# Altium PCB Accumulator Management.PcbDoc (part 1 of 2)
Units mm, origin at the board's own origin, x right, y up, seen from the top; angles counter-clockwise.
Board outline 150 x 60 mm, 4 copper layers (Top Layer, 3.3V, GND, Bottom Layer 1), stack 0.603 mm thick; 185 components, 132 nets, 638 pads, 116 vias.
Unrouted connection lines stored in the file: 11.
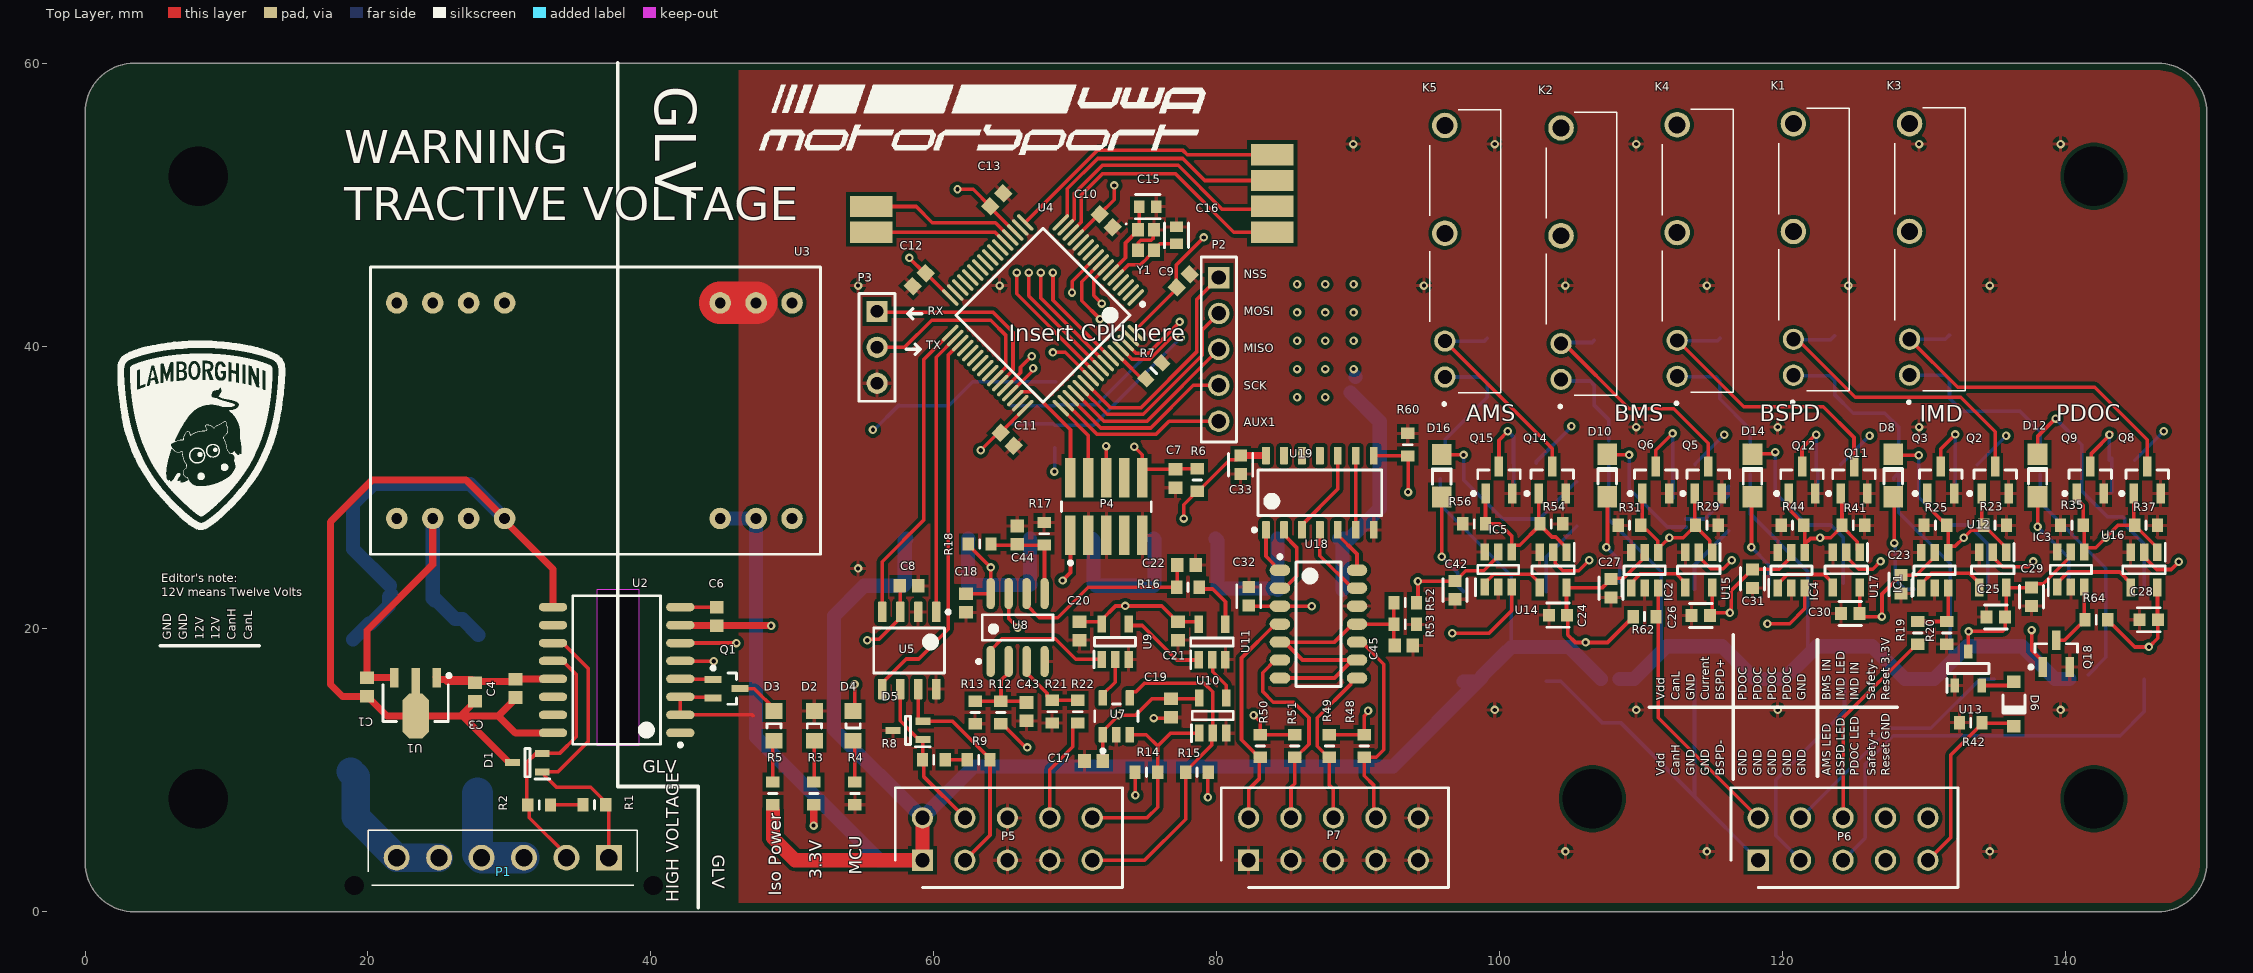
[diagram p0: Top Layer view]
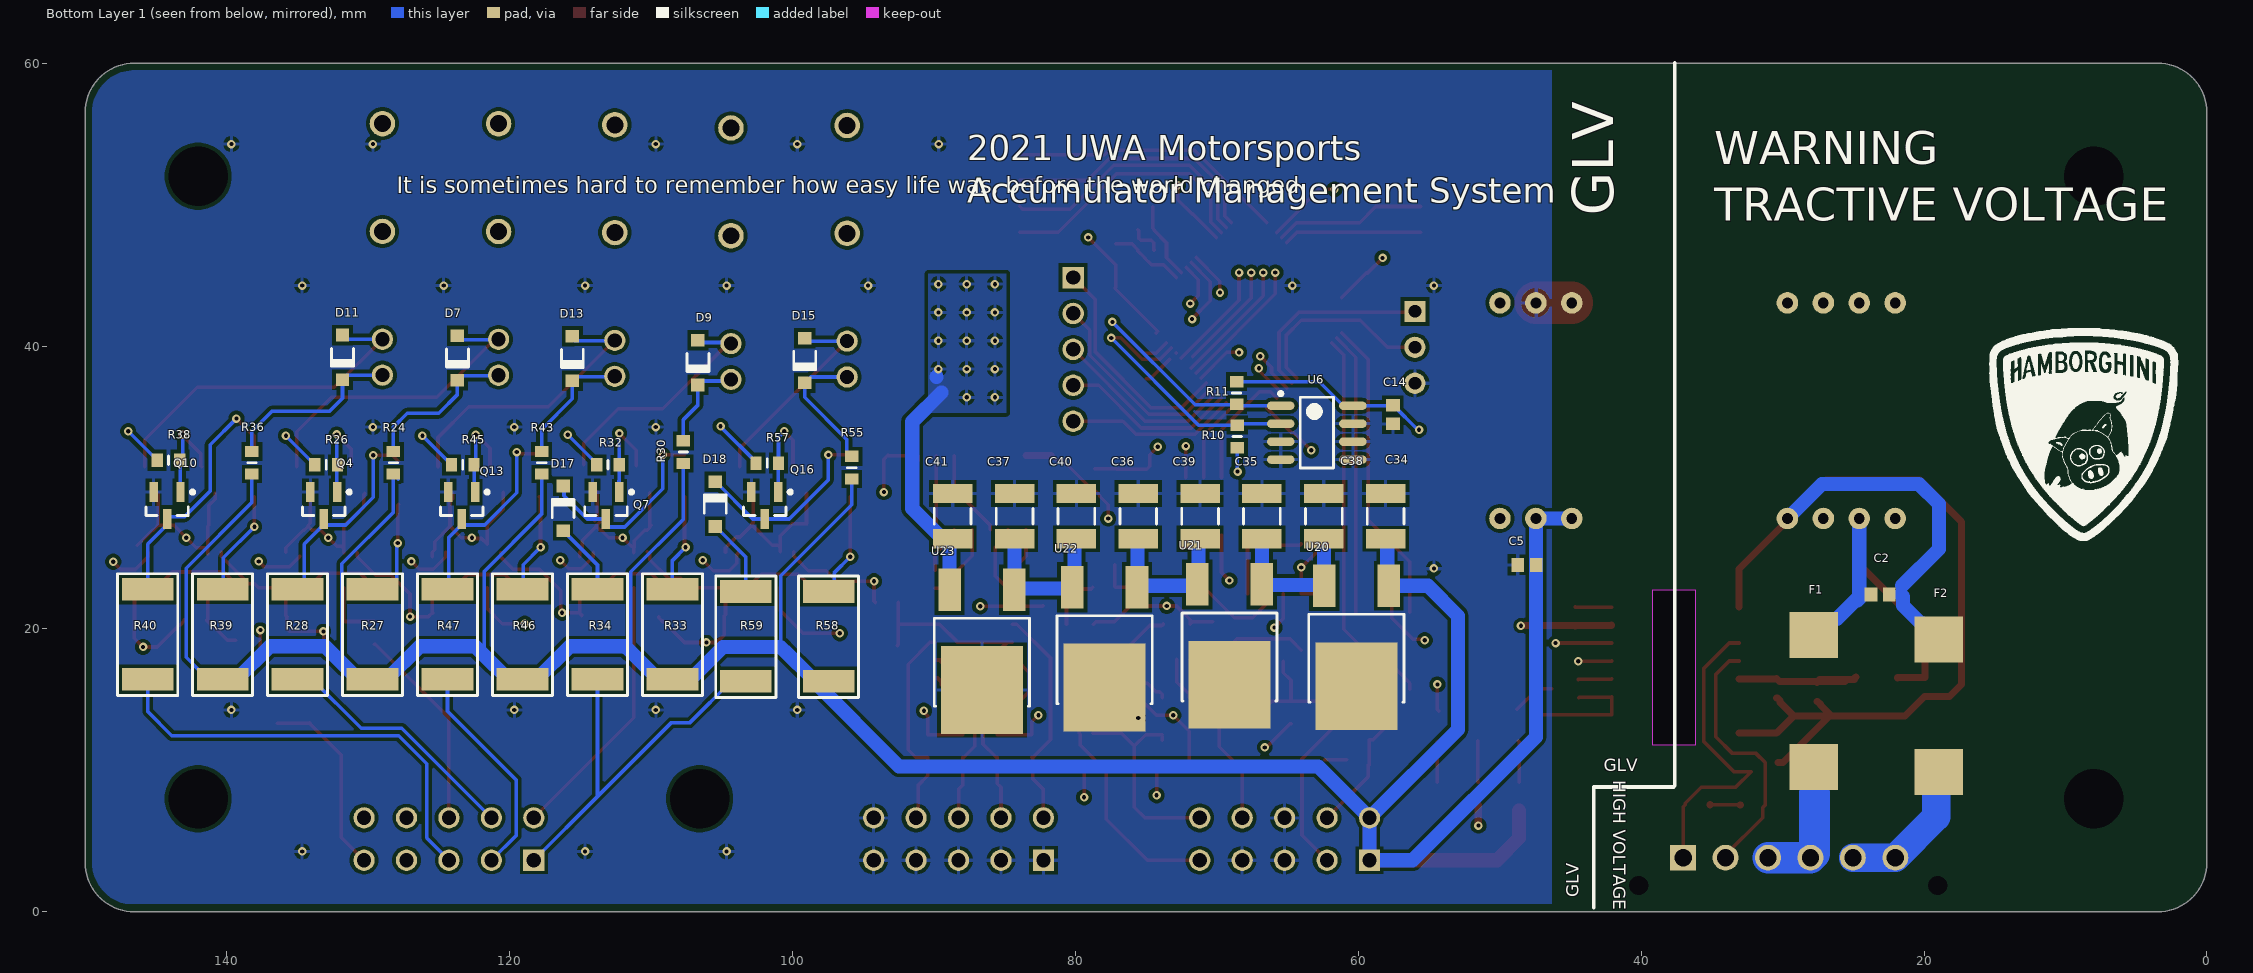
[diagram p1: Bottom Layer 1 view, seen from below]
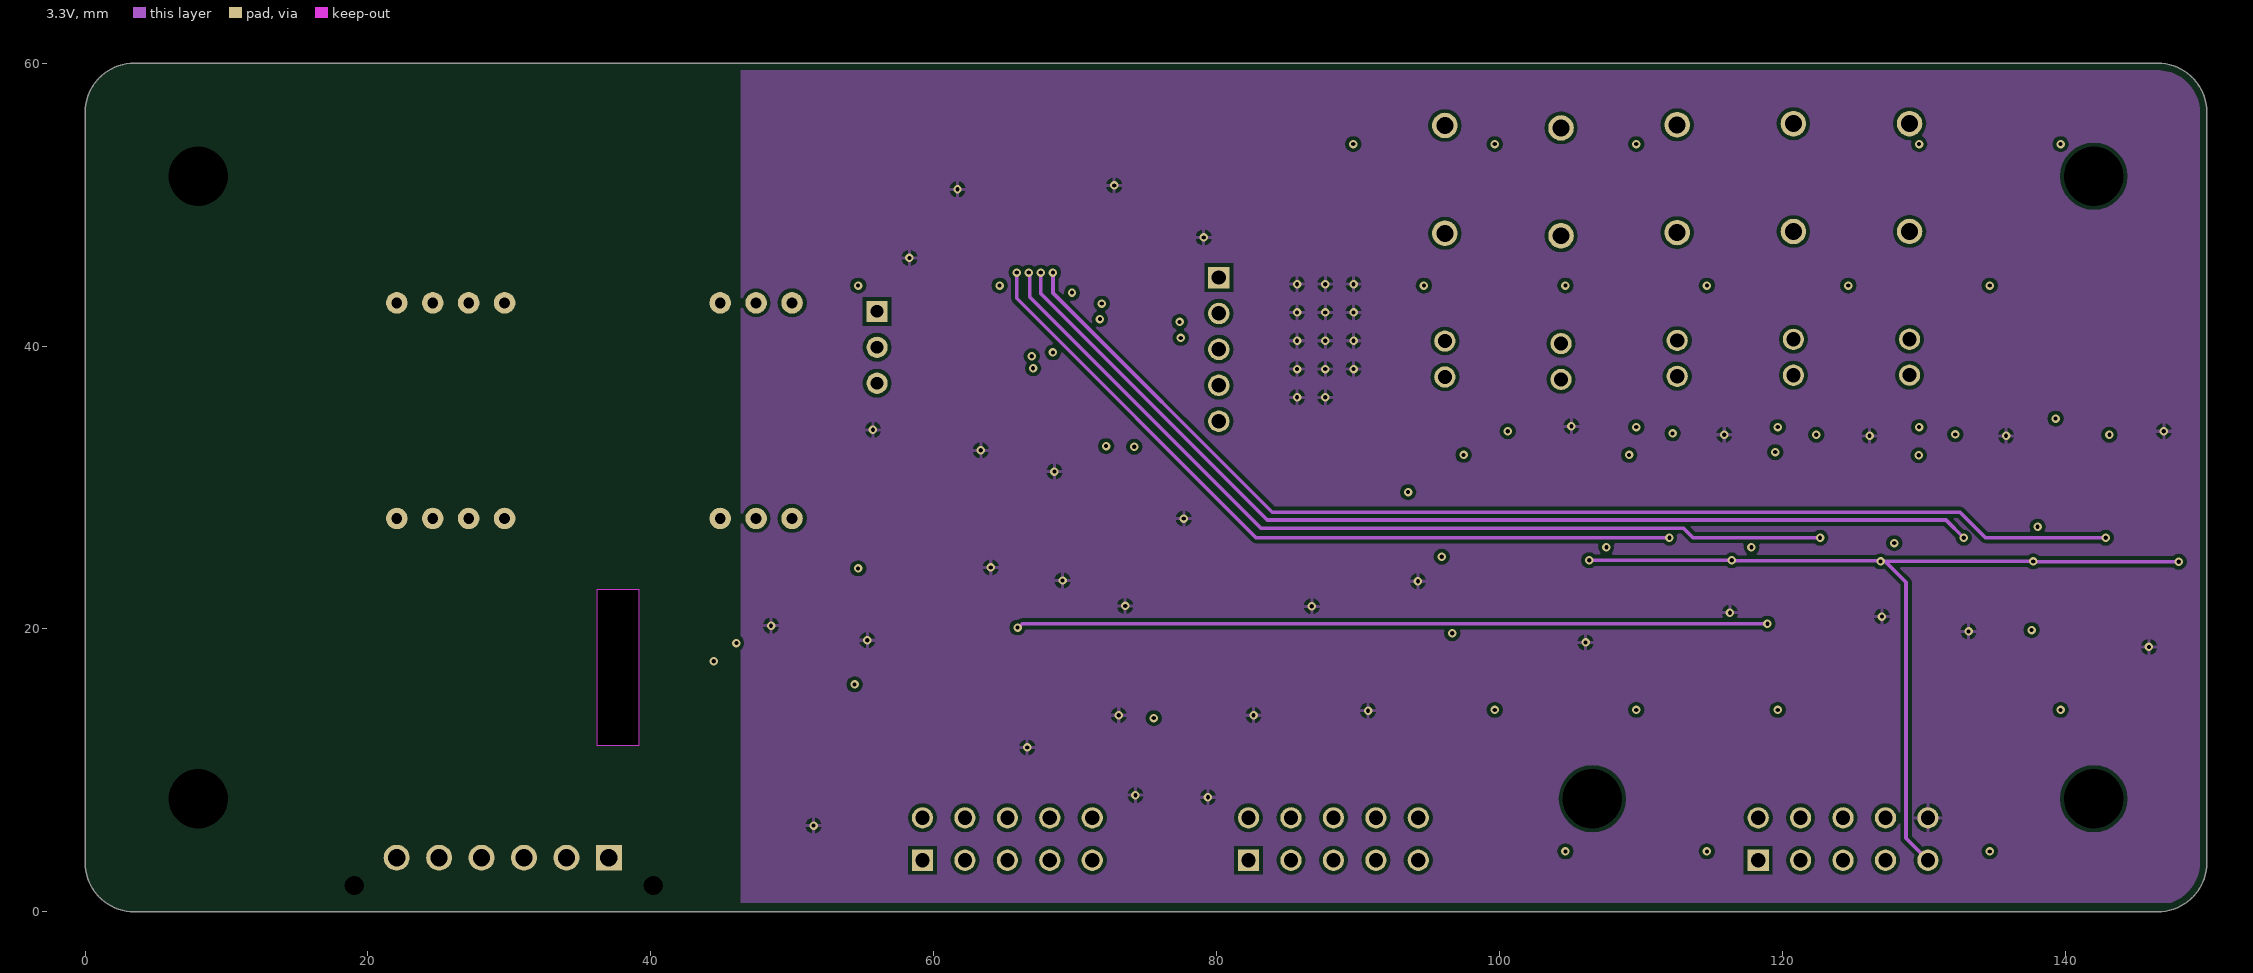
[diagram p2: 3.3V]
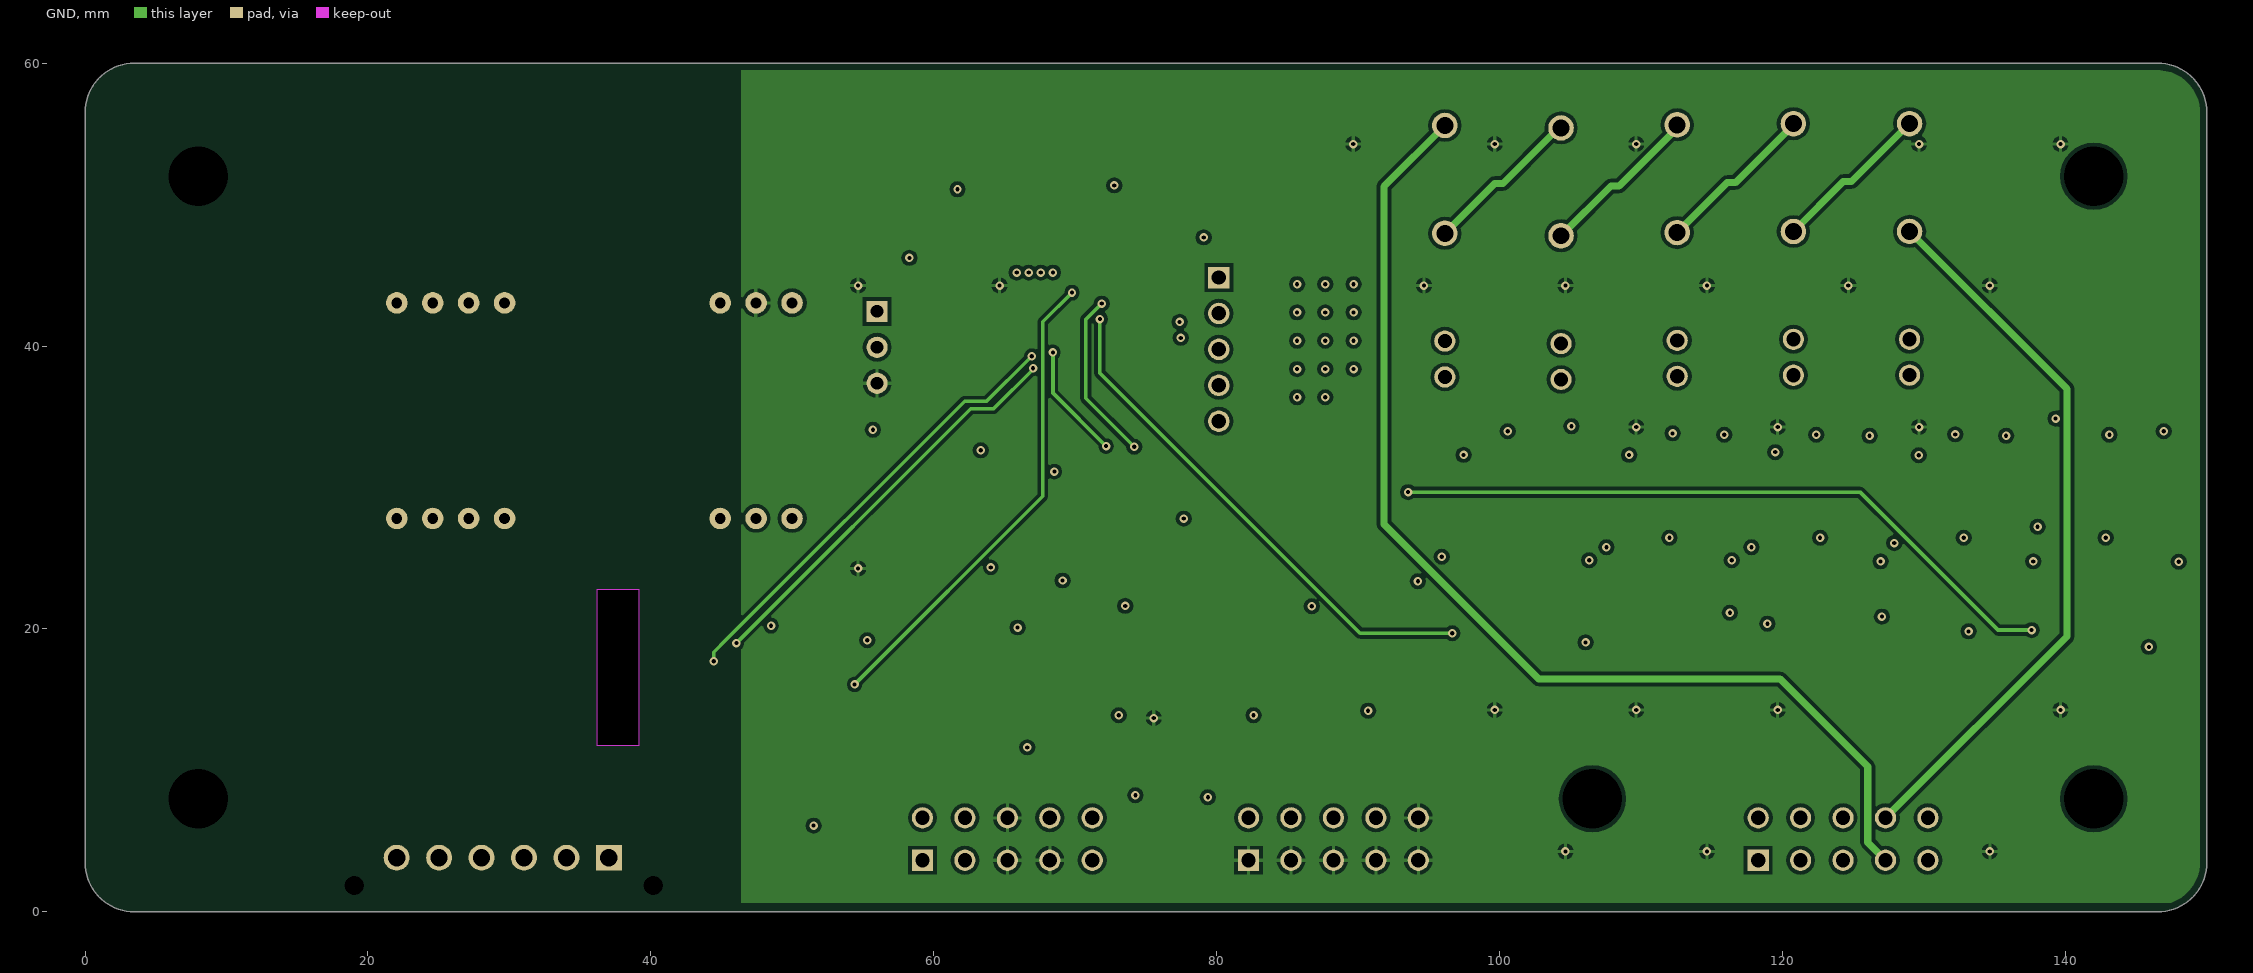
[diagram p3: GND]
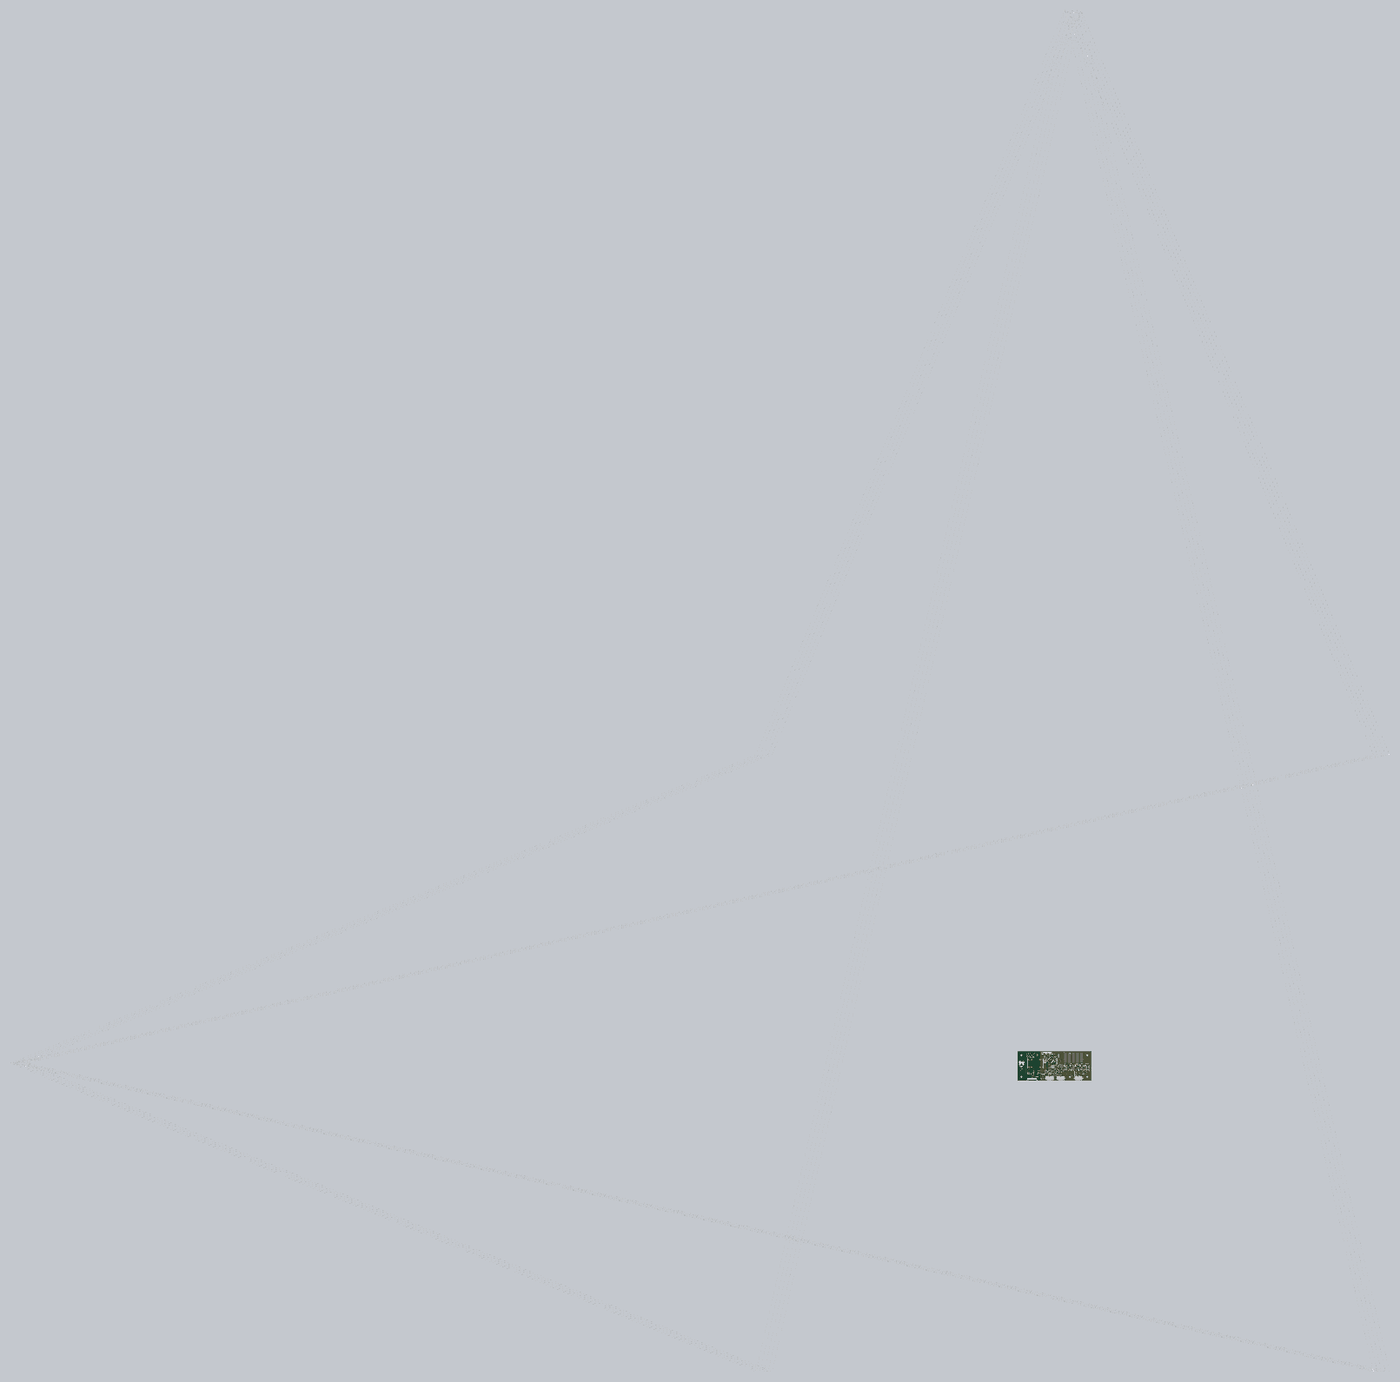
[diagram p5: 3D render of the assembled board from above, using the file's embedded part models]
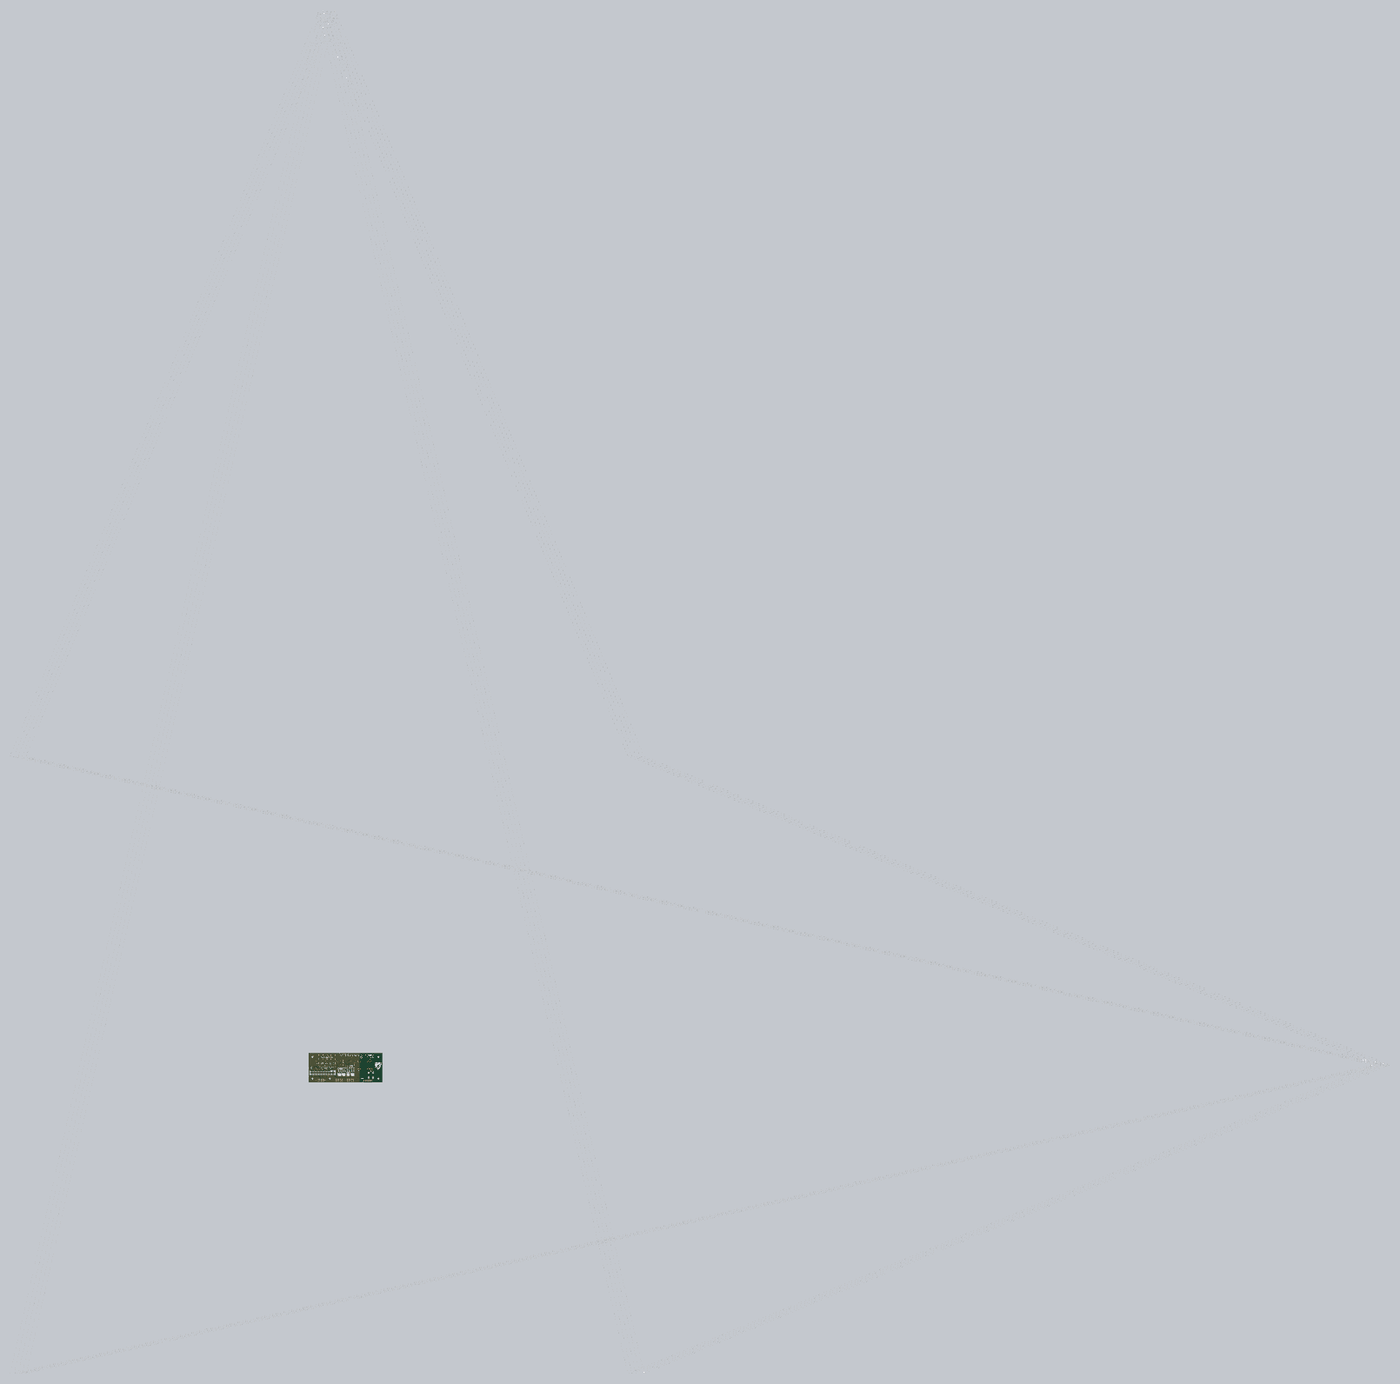
[diagram p6: 3D render of the assembled board from below, using the file's embedded part models]

## Layer stack, top to bottom
Top Solder: solder mask 0.0102, Solder Resist, Dk 3.5
Top Layer: signal copper 0.035
Dielectric 2: prepreg 0.0711, PP-006, Dk 4.1
3.3V: signal copper 0.0356
Dielectric 1: dielectric 0.32, FR-4, Dk 4.8
GND: signal copper 0.0356
Dielectric 3: prepreg 0.0711, PP-006, Dk 4.1
Bottom Layer 1: signal copper 0.035
Bottom Solder: solder mask 0.0102, Solder Resist, Dk 3.5

## Board outline
3.5,0 cw(c3.5,3.5) 0,3.5 0,56.5 cw(c3.5,56.5) 3.5,60 146.5,60 cw(c146.5,56.503) 149.997,56.503 150,56.503 150,3.5 cw(c146.5,3.5) 146.5,0
cut-out: 36.18,22.781 36.18,11.781 39.18,11.781 39.18,22.781

## Design rules (kind name [scope] priority, off if disabled: settings)
BoardOutlineClearance [All] p1: gap=0.5 ignorepadtopadclearanceinfootprint=FALSE
Clearance "Stitching GND-LV" [IsStitchingVia and InNet('GND-LV') vs (IsVia and (Not IsStitchingVia)) Or IsPad] p1: gap=2 ignorepadtopadclearanceinfootprint=FALSE
Clearance "HV - LV clearance" [InNetClass('LV') vs InNetClass('Tractive')] p2: gap=5 ignorepadtopadclearanceinfootprint=TRUE
Clearance [All] p3: gap=0.254 ignorepadtopadclearanceinfootprint=TRUE except(0: Arc-Hole Track-Hole SMDPad-Hole THPad-Hole Via-Hole Fill-Hole Poly-Hole Region-Hole Text-Hole; 0.1: Arc-Arc Arc-Track Arc-SMDPad Track-Track Track-SMDPad SMDPad-SMDPad)
Creepage [InNetClass('LV') vs InNetClass('Tractive')] p1: checkdistance=10 ignoreinternallayers=FALSE
HoleSize [All] p1: absolutevalues=TRUE maxlimit=5 minlimit=0.025 maxpercent=80.000 minpercent=20.000
PolygonConnect PolygonConnect_1 [InComponent('U4') OR InComponent('U20') OR InComponent('U21') OR InComponent('U22') vs InNet('GND-LV')] p1: connectstyle=Direct reliefconductorwidth=0.254 reliefentries=4 polygonreliefangle="90 Angle" airgapwidth=0.254
PolygonConnect [All] p2: connectstyle=Relief reliefconductorwidth=0.254 reliefentries=4 polygonreliefangle="90 Angle" airgapwidth=0.254
RoutingCorners [All] p1: cornerstyle=45-Degree minsetback=5 maxsetback=5
RoutingVias [All] p1: holewidth=0.3 width=0.6 viastyle="Through Hole" minholewidth=0.3 minwidth=0.6 maxholewidth=0.3 maxwidth=0.6
SolderMaskExpansion [All] p1: expansion=0.102 istentingtop=FALSE
Width Width_4 [(InNet('+3.3V') OR InNet('+5V') OR InNet('+9V') OR InNet('+12V') OR InNet('Vdd') OR InNet('Therm5V') OR InNet('Therm12V') OR InNet('GND-LV') OR InNet('GND-Therm'))] p1: maxlimit=5 minlimit=0.254 preferedwidth=0.5 minimp=50.000000 maximp=50.000000 favimp=50.000000
Width Width_1 [InNetClass('Tractive')] p2: maxlimit=3 minlimit=0.254 preferedwidth=0.254
Width [All] p3: maxlimit=0.5 minlimit=0.254 preferedwidth=0.254 minimp=50.000000 maximp=50.000000 favimp=50.000000
28 further rules are at their usual default settings.

## Classes and differential pairs
component class "Latching 2": C24 C42 D15 D16 D18 IC5 K5 Q14 Q15 Q16 R54 R55 R56 R57 R58 R59 U14
component class "Voltage Regulator": C34 C35 C36 C37 C38 C39 C40 C41 U20 U21 U22 U23
component class PDOC: C32 C33 C45 P7 R48 R49 R50 R51 R52 R53 U18 U19
component class Microcontroller: C7 C8 C9 C10 C11 C12 C13 C14 C15 C16 D5 P2 P3 P4 R6 R7 R8 R9 R10 R11 U4 U5 U6 Y1
component class Latching: C23 C25 C26 C27 C28 C29 C30 C31 D6 D7 D8 D9 D10 D11 D12 D13 D14 D17 IC1 IC2 IC3 IC4 K1 K2 K3 K4 P5 P6 Q2 Q3 Q4 Q5 Q6 Q7 Q8 Q9 Q10 Q11 Q12 Q13 Q18 R19 R20 R23 R24 R25 R26 R27 R28 R29 R30 R31 R32 R33 R34 R35 R36 R37 R38 R39 R40 R41 R42 R43 R44 R45 R46 R47 R60 R62 R64 U12 U13 U15 U16 U17
net class LV: +3.3V ADC1_0 ADC1_1 ADC1_2 ADC1_3 ADC1_4 ADC1_5 AMS AMSOut AUX1 BMS BMS-MCU BOOT BSPD BSPD+ BSPD- BSPD-MCU BSPDOut CAN2_RX CAN2_TX can2H can2L CANRX CANTX "Current Signal" GND-LV IMD IMD-MCU IMDOut LBK2 LED NetC6_2 NetC45_2 NetD2_2 NetD3_1 NetD3_2 NetD4_1 NetD6_1 NetD7_1 NetD7_2 NetD8_1 NetD8_2 NetD9_1 NetD9_2 NetD10_1 NetD10_2 NetD11_1 NetD11_2 NetD12_1 NetD12_2 NetD13_1 NetD13_2 NetD14_1 NetD14_2 NetD17_1 NetIC1_1 NetIC1_3 NetIC2_1 NetIC3_1 NetIC3_3 NetIC4_1 NetP7_2 NetP7_4 NetP7_6 NetP7_8 NetQ1_1 NetQ3_3 NetQ6_3 NetQ9_3 NetQ12_3 NetR8_1 NetU18_1 NetU18_2 NetU18_13 NetU18_14 NetU19_3 NetU19_6 NRST PDOC PDOC-MCU PDOCOut RESET S1 S2 S3 S4 S+ S- SCL SDA SPI_MISO SPI_MOSI SPI_NSS SPI_SCK SWCLK SWDIO SWDTRACE TIM2_C3 TIM2_C4 UART1_RX UART1_TX Vdd XTAL1 XTAL2
net class Tractive: canH canL GND-Therm NetF1_1 NetF2_1 NetR1_1 Therm5V Therm12V
component class BSPD: C17 C18 C19 C20 C21 C22 C43 C44 R12 R13 R14 R15 R16 R17 R18 R21 R22 U7 U8 U9 U10 U11
component class "Isolated Power": --- C1 C2 C3 C4 C5 C6 D1 D2 D3 D4 D? F1 F2 P1 Q1 R1 R2 R3 R4 R5 R? U1 U2 U3
